# Altium PCB PCB.PcbDoc
Units mm, origin at the board's own origin, x right, y up, seen from the top; angles counter-clockwise.
Board outline 70 x 50 mm, 2 copper layers (Top Layer, Bottom Layer); 28 components, 25 nets, 97 pads, 0 vias.
Unrouted connection lines stored in the file: 55.
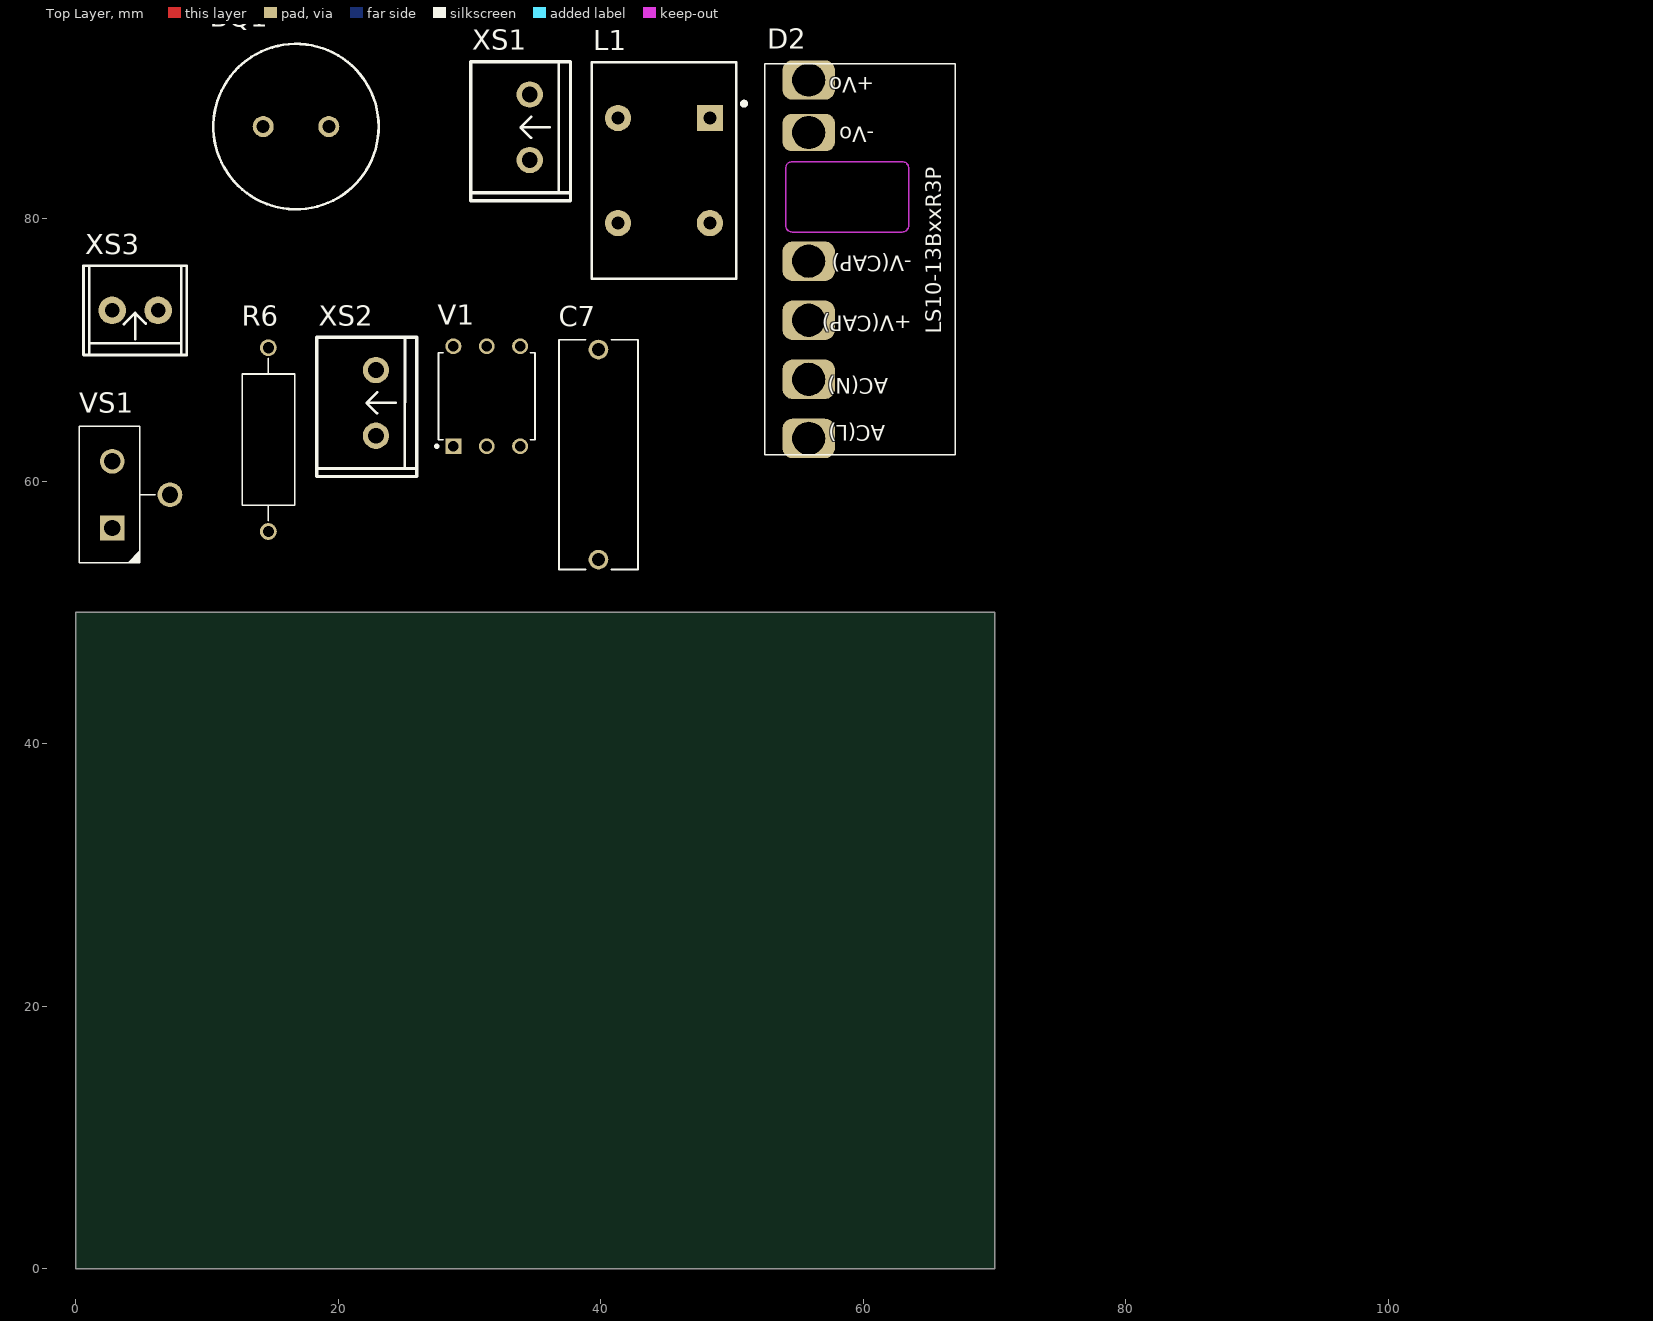
[diagram p0: Top Layer view]
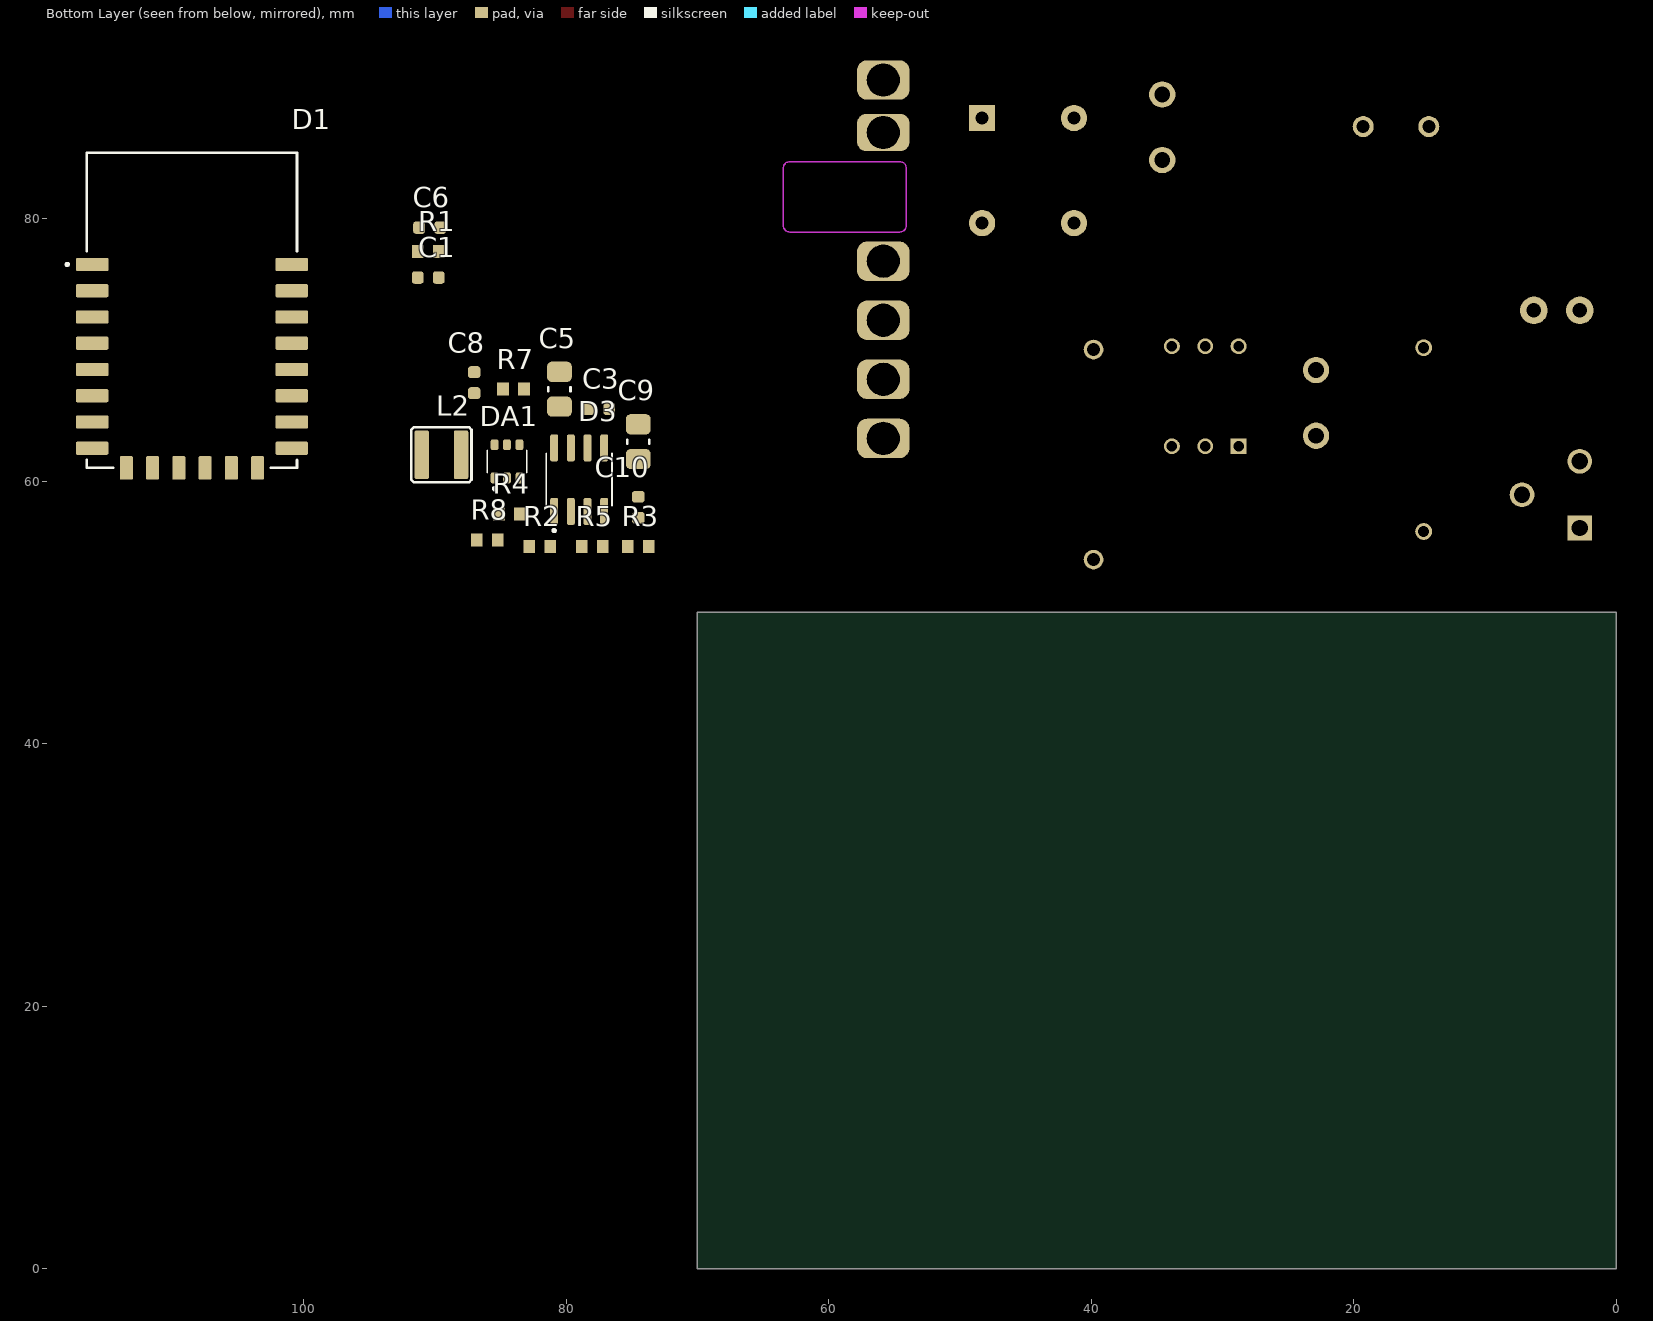
[diagram p1: Bottom Layer view, seen from below]

## Layer stack, top to bottom
Top Solder: solder mask 0.0102, Solder Resist, Dk 3.5
Top Layer: signal copper 0.0356
Dielectric 1: dielectric 0.32, FR-4, Dk 4.8
Bottom Layer: signal copper 0.0356
Bottom Solder: solder mask 0.0102, Solder Resist, Dk 3.5

## Board outline
0,0 0,50 70,50 70,0

## Design rules (kind name [scope] priority, off if disabled: settings)
Clearance [All] p1: gap=0.254 ignorepadtopadclearanceinfootprint=FALSE except(0: Arc-Hole Track-Hole SMDPad-Hole THPad-Hole Via-Hole Fill-Hole Poly-Hole Region-Hole Text-Hole)
PolygonConnect [All] p1: connectstyle=Relief reliefconductorwidth=0.254 reliefentries=4 polygonreliefangle="90 Angle" airgapwidth=0.254
RoutingVias [All] p1: holewidth=0.711 width=1.27 viastyle="Through Hole" minholewidth=0.711 minwidth=1.27 maxholewidth=0.711 maxwidth=1.27
SolderMaskExpansion [All] p1: expansion=0.102 istentingtop=FALSE
Width [All] p1: maxlimit=0.254 minlimit=0.254 preferedwidth=0.254
30 further rules are at their usual default settings.

## Components (designator, comment, footprint, x,y, rotation, side; value= is the part's Value field where it differs from the comment)
BQ1 "PKM13EPY-4000" R_D12p6_H6p9_S5_d0p5 16.777,87 r0 top
C1 "0.1uF" CAPC1608X09N 90.5,75.5 r180 bottom
C3 "0.1uF" CAPC1608X09N 77.504,65.5 r180 bottom
C5 "4.7uF" CAPC3216X19N 80.509,67 r90 bottom
C6 "0.1uF" CAPC1608X09N 90.398,79.304 r180 bottom
C7 "100nF" CAPRR1600W70L1750T600H1200 39.818,62.014 r90 top
C8 "0.1uF" CAPC1608X09N 87,67.5 r270 bottom
C9 "22uF" CAPC3216X19N 74.5,63 r90 bottom
C10 "0.1uF" CAPC1608X09N 74.5,58 r90 bottom
D1 "ESP-12F" ESP-12F 108.5,73 r180 bottom
D2 "LS10-13B15R3P" LS10-13BxxR3P_LUT 60.173,76.664 r90 top
D3 "MAX6675ISA" SOIC8P127_490X600X175L83X42N 79,60.104 r180 bottom
DA1 "WD1502F-6/TR" SOT23-6P95_280X90L45X42N 84.5,61.5 r180 bottom
L1 "UU9LFNP-B-B102" UU9LF 44.806,83.649 r0 top
L2 "1.5uH" INDP400L400WX180_N 89.5,62 r180 bottom
R1 "1K" RESC1608X55N 90.5,77.5 r180 bottom
R2 "220" RESC1608X55N 82,55 r180 bottom
R3 "180k" RESC1608X55N 74.5,55 r180 bottom
R4 "1K" RESC1608X55N 84.3,57.5 r180 bottom
R5 "1K" RESC1608X55N 78,55 r180 bottom
R6 "100" MF-05W_RESAD1400W60L1000D500 14.672,63.157 r90 top
R7 "2.2k" RESC1608X55N 84,67 r180 bottom
R8 "10k" RESC1608X55N 86,55.5 r0 bottom
V1 "MOC3063" DIP-6_DIP762W50P254L735H400Q6 31.309,66.459 r0 top
VS1 "BT136-600Е" TO-220C_TO254_440P1040X460X2000-3 2.777,56.42 r90 top
XS1 "DG301-5.0-02P-14-00A(H)" DG301-5.0-02P 33.884,86.951 r90 top
XS2 "DG301-5.0-02P-14-00A(H)" DG301-5.0-02P 22.165,65.951 r90 top
XS3 "KLS2-350-3.50-02P-4S" KLS2-350-3.50-02P-4S 4.527,73 r0 top

## Footprints (in the part's own frame and the unit in brackets; to place one, negate y for a bottom-side part, rotate by r counter-clockwise, add the part's x,y. Pads: shape width x height; smd on the part's side, far side on the other; paste and mask are expansions set on the pad)
CAPC1608X09N [mm] "Chip Capacitor, 2-Leads, Body 1,60x0,80mm, IPC Medium Density"
  rrect50% 0.9x0.95 smd: 1(-0.8,0) 2(0.8,0)
  body extent -0.85,-0.45 0.85,0.45, height 0.9
CAPC3216X19N [mm] "Chip Capacitor, 2-Leads, Body 3,20x1,60mm, IPC Medium Density"
  rrect50% 1.55x1.9 smd: 1(-1.325,0) 2(1.325,0)
  silkscreen extent -0.15,-0.85 0.15,0.85, body extent -1.75,-0.95 1.75,0.95, height 1.9
CAPRR1600W70L1750T600H1200 [mm] "Capacitor, Radial (Dipped, Rectangular), 16.00 mm Pitch X 0.70 mm W X 17.50 mm L X 6.00 mm T X 12.00 mm H body"
  round 1.5 hole 1 paste-2539.97: 1(-8,0) 2(8,0)
  silkscreen extent -8.75,-3 8.75,3, body extent -8.75,-3 8.75,3, height 12
DG301-5.0-02P [mm]
  round 2 hole 1.2 paste-2539.97 mask+0.05: 1(-2.5,-0.7) 2(2.5,-0.7)
  silkscreen extent -5.6,-3.8 5,3.8, body extent -5.6,-3.8 5,3.8, height 10
DIP-6_DIP762W50P254L735H400Q6 [mm] "DIP, 7.62 mm lead span, 2.54 mm pitch; 6 pin, 7.35 mm L X 6.60 mm W X 4.00 mm H body"
  rect 1.21x1.21 / inner round 1.21 / far side rect 1.21x1.21 hole 0.8 paste-2539.97: 1(-2.54,-3.81)
  round 1.21 hole 0.8 paste-2539.97: 2(0,-3.81) 3(2.54,-3.81) 4(2.54,3.81) 5(0,3.81) 6(-2.54,3.81)
  silkscreen extent -3.91,-3.91 3.67,3.3, body extent -3.67,-3.94 3.67,3.94, height 4
ESP-12F [mm]
  rrect25% 2.5x1 smd: 1(-7.6,3.5) 2(-7.6,1.5) 3(-7.6,-0.5) 4(-7.6,-2.5) 5(-7.6,-4.5) 6(-7.6,-6.5) 7(-7.6,-8.5) 8(-7.6,-10.5) 15(7.6,-10.5) 16(7.6,-8.5) 17(7.6,-6.5) 18(7.6,-4.5) 19(7.6,-2.5) 20(7.6,-0.5) 21(7.6,1.5) 22(7.6,3.5)
  rrect25% 1x1.8 smd: 9(-5,-12) 10(-3,-12) 11(-1,-12) 12(1,-12) 13(3,-12) 14(5,-12)
  silkscreen extent -9.6,-12 8,12, body extent -8.02,-12 7.98,12, height 2.72
INDP400L400WX180_N [mm] "Inductor wirewound 4x4x1.8mm"
  rrect25% 1.1x3.7 smd: 1(-1.5,0) 2(1.5,0)
  silkscreen extent -2.3,-2.1 2.3,2.1, body extent -2.1,-2.1 2.1,2.1, height 1.8
KLS2-350-3.50-02P-4S [mm]
  round 2.1 hole 1.1: 1(-1.75,0) 2(1.75,0)
  silkscreen extent -3.94,-3.4 3.94,3.4, body extent -4,-3.4 4,3.4, height 8.6
LS10-13BxxR3P_LUT [mm]
  rrect50% 3x4 hole 2.5: 1(-13.415,4.338) 2(-8.915,4.338) 3(-4.415,4.338) 4(0.085,4.338) 6(13.885,4.338)
  rrect50% 2.84x4 hole 2.5: 5(9.885,4.338)
  Keep-Out Layer lines w0.1: 2.305,5.588 cw(c2.805,5.588) 2.805,6.088 ; 7.665,-2.772 7.665,5.588 ccw(c7.165,5.588) 7.165,6.088 2.805,6.088 ; 2.305,-2.782 ccw(c2.805,-2.782) 2.805,-3.282 7.165,-3.282 ccw(c7.165,-2.782) 7.665,-2.782 ; 2.805,6.088 2.805,6.088
  Keep-Out Layer lines w0.102: 2.305,5.588 2.305,-2.772
  silkscreen extent -14.66,-6.81 15.14,7.69, body extent -14.15,-6.47 14.7,7.13, height 17.12
MF-05W_RESAD1400W60L1000D500 [mm] "Resistor, Axial; 14.00 mm Pitch X 0.60 mm W 10.00 mm L X 5.00 mm Dia. body"
  round 1.28 hole 0.85 paste-2539.97: 1(-7,0) 2(7,0)
  silkscreen extent -6.18,-2 6.18,2, body extent -7.3,-2 7.3,2, height 5
R_D12p6_H6p9_S5_d0p5 [mm] "Пьезоизлучатель PKM13EPY"
  round 1.6 hole 1: 1(-2.5,0) 2(2.5,0)
  silkscreen extent -6.3,-6.3 6.3,6.3, body extent -6.3,-6.3 6.3,6.3, height 6.9
RESC1608X55N [mm] "Chip Resistor, EIA 0603, Metric 1608, Body 1.6x0.8mm, IPC Medium Density"
  rect 0.9x1 smd: 1(-0.8,0) 2(0.8,0)
  body extent -0.87,-0.47 0.88,0.48, height 0.55
SOIC8P127_490X600X175L83X42N [mm] "Small Outline IC (SOIC), 1.27 mm pitch; 8 pin, 4.90 mm L X 3.90 mm W X 1.75 mm H body"
  rrect50% 0.61x2.058 smd mask+0.05: 1(-1.905,-2.421) 2(-0.635,-2.421) 3(0.635,-2.421) 4(1.905,-2.421) 5(1.905,2.421) 6(0.635,2.421) 7(-0.635,2.421) 8(-1.905,2.421)
  silkscreen extent -2.5,-3.97 2.5,2, body extent -2.45,-3 2.45,3, height 1.75
SOT23-6P95_280X90L45X42N [mm] "Small Outline Transistor, SOT-23 Type, 0.95 mm pitch; 6 pin, 2.92 mm L X 1.65 mm W X 0.90 mm H body"
  rrect50% 0.58x0.825 smd mask+0.05: 1(-0.95,-1.262) 2(0,-1.262) 3(0.95,-1.262) 4(0.95,1.262) 5(0,1.262) 6(-0.95,1.262)
  silkscreen extent -1.51,-2.18 1.51,0.85, body extent -1.46,-1.4 1.46,1.4, height 0.9
TO-220C_TO254_440P1040X460X2000-3 [mm] "Flange Mount (TO) Vertical, 2.54 mm pitch; 3 pin, 10.40 mm W X 4.60 mm H X 20.00 mm mounted height"
  rect 1.88x1.88 / inner round 1.88 / far side rect 1.88x1.88 hole 1.25 paste-2539.97: 1(0,0)
  round 1.88 hole 1.25 paste-2539.97: 2(2.54,-4.4) 3(5.08,0)
  silkscreen extent -2.67,-3.28 7.74,2.5, body extent -2.66,-4.77 7.74,2.5, height 20
UU9LF [mm]
  rect 2x2 hole 1: 1(3.5,4)
  round 2 hole 1: 2(-3.5,4) 3(-3.5,-4) 4(3.5,-4)
  silkscreen extent -5.5,-8.25 6.25,8.25, body extent -5.5,-8.14 5.5,8.14, height 16.31

## Part data
BQ1: Manufacturer=Murata, Package=TH, ComponentLink1Description=Datasheet, ComponentLink1URL=https://pdf1.alldatasheet.com/datasheet-pdf/view/116967/MURATA/PKM13EPY-4000-A0.html, Part Number=PKM13EPY-4000, Part Status=Active
C1 C3 C6 C8 C10: library part 0603-0.1uF-50V-10%-X7R, Dielectric=X7R, Max Temperature=125, Min Temperature=-55, Package=0603, Tolerance=10%, Voltage=50V, Capacitance=0.1uF, Parameter=50V, Part Number=0603-0.1uF-50V-10%-X7R, Part Status=Active
C5: library part 1206-4.7uF-25V-10%-X7R, Dielectric=X7R, Max Temperature=125, Min Temperature=-55, Package=1206, Tolerance=10%, Voltage=25V, Capacitance=4.7uF, Parameter=25V, Part Number=1206-4.7uF-25V-10%-X7R, Part Status=Active
C7: library part MEF104J2J6AS6040A1, Dielectric=Polyester, Manufacturer=JOEY, Max Temperature=105, Min Temperature=-55, Package=TH, Tolerance=5%, Voltage=630V, Capacitance=100nF, ComponentLink1Description=Datasheet, ComponentLink1URL=https://datasheet.lcsc.com/lcsc/2311211613_JOEY-MEF104J2J6AS6040A1_C18295882.pdf, Parameter=630V, Part Number=MEF104J2J6AS6040A1, Part Status=Active
C9: library part 1206-22uF-10V-10%-X7R, Dielectric=X7R, Max Temperature=125, Min Temperature=-55, Package=1206, Tolerance=10%, Voltage=10V, Capacitance=22uF, Parameter=10V, Part Number=1206-22uF-10V-10%-X7R, Part Status=Active
D1: Manufacturer=Ai-Thinker, Package=QFN-44, ComponentLink1Description=Datasheet, ComponentLink1URL=https://datasheet.lcsc.com/lcsc/2102191804_Ai-Thinker-ESP-12F-ESP8266MOD_C82891.pdf, Part Number=ESP-12F, Part Status=Active
D2: Manufacturer="MORNSUN Guangzhou S& T", ComponentLink1Description=Datasheet, ComponentLink1URL=https://datasheet.lcsc.com/lcsc/2304140030_MORNSUN-Guangzhou-S--T-LS10-13B15R3P_C2684858.pdf, Part Number=LS10-13B15R3P
D3: Manufacturer="Analog Devices Inc./Maxim Integrated", Package=SOIC-8, ComponentLink1Description=Datasheet, ComponentLink1URL=https://datasheet.lcsc.com/lcsc/1810181421_Analog-Devices-Inc--Maxim-Integrated-MAX6675ISA-T_C16030.pdf, Part Number=MAX6675ISA, Part Status=Active
DA1: Manufacturer="WILLSEMI(Will Semicon)", Package=SOT23-6, ComponentLink1Description=Datasheet, ComponentLink1URL=https://datasheet.lcsc.com/lcsc/2201121500_WILLSEMI-Will-Semicon-WD1502F-6-TR_C2931307.pdf, Part Number=WD1502F-6/TR, Part Status=Active
L1: Manufacturer=Sumida, ComponentLink1Description=Datasheet, ComponentLink1URL=https://www.promelec.ru/fs/sources/7d/fb/00/93/a0ed9916e485af1b33b50f4f.pdf, Part Number=UU9LFNP-B-B102, Part Status=Active
L2: library part SWPA4018S1R5NT, Manufacturer=Sunlord, Package=4018, Rated Current=1.8A, Resistance=0.039, Saturation Current=3.35A, Self Resonant Frequency=65MHz, Tolerance=30%, ComponentLink1Description=Datasheet, ComponentLink1URL=https://datasheet.lcsc.com/lcsc/2110091630_Sunlord-SWPA4018S1R5NT_C80662.pdf, Inductance=1.5uH, Parameter=1.8A, Part Number=SWPA4018S1R5NT, Part Status=Active
R1 R4 R5: library part "0603-1K-1%-1/10 W-100ppm", "Resistor", Max Temperature=155°C, Min Temperature=-55°C, Package=0603, Power="1/10 W", Temperature Coefficient=100ppm, Tolerance=1%, Part Number="0603-1K-1%-1/10 W-100ppm", Part Status=Active, Resistance=1K
  R1: Parameter=1%
R2: library part "0603-220-1%-1/10 W-100ppm", "Resistor", Max Temperature=155°C, Min Temperature=-55°C, Package=0603, Power="1/10 W", Temperature Coefficient=100ppm, Tolerance=1%, Parameter=1%, Part Number="0603-220-1%-1/10 W-100ppm", Part Status=Active, Resistance=220
R3: library part 0603-180K-1%-1/10W-100ppm, "Resistor", Max Temperature=155°C, Min Temperature=-55°C, Package=0603, Power="1/10 W", Temperature Coefficient=100ppm, Tolerance=1%, Parameter=1%, Part Number=0603-180K-1%-1/10W-100ppm, Part Status=Active, Resistance=180k
R6: library part MF0W2JJ0101A10, "Resistor", Manufacturer="UNI-ROYAL(Uniroyal Elec)", Max Temperature=105, Min Temperature=-55, Package=TH, Power=500mW, Temperature Coefficient=200ppm, Tolerance=5%, ComponentLink1Description=Datasheet, ComponentLink1URL=https://datasheet.lcsc.com/lcsc/2310191505_UNI-ROYAL-Uniroyal-Elec-MF0W2JJ0101A10_C18724264.pdf, Parameter=5%, Part Number=MF0W2JJ0101A10, Part Status=Active, Resistance=100
R7: library part 0603-2.2K-1%-1/10W-100ppm, "Resistor", Max Temperature=155°C, Min Temperature=-55°C, Package=0603, Power="1/10 W", Tolerance=1%, Parameter=1%, Part Number=0603-2.2K-1%-1/10W-100ppm, Part Status=Active, Resistance=2.2k, Temperature Coefficient="1/10 W"
R8: library part "0603-10k-1%-1/10 W-100ppm", "Resistor", Max Temperature=155°C, Min Temperature=-55°C, Package=0603, Power="1/10 W", Temperature Coefficient=100ppm, Tolerance=1%, Parameter=1%, Part Number="0603-10k-1%-1/10 W-100ppm", Part Status=Active, Resistance=10k
V1: "Оптрон тиристорный", Manufacturer=Lite-On, Package=DIP-6, ComponentLink1Description=Datasheet, ComponentLink1URL=https://datasheet.lcsc.com/lcsc/2304140030_Lite-On-MOC3063_C78487.pdf, Part Number=MOC3063, Part Status=Active
VS1: Manufacturer=WEIDA, Package=TO-220C, ComponentLink1Description=Datasheet, ComponentLink1URL=https://datasheet.lcsc.com/lcsc/2203021730_WEIDA-BT136-600E_C2901007.pdf, Part Number=BT136-600Е, Part Status=Active
XS1 XS2: Manufacturer=DEGSON, ComponentLink1Description=Datasheet, ComponentLink1URL=https://datasheet.lcsc.com/lcsc/2208121800_DEGSON-DG301-5-0-02P-14-00A-H_C5128812.pdf, Part Number=DG301-5.0-02P-14-00A(H), Part Status=Active
XS3: Manufacturer=KLS, ComponentLink1Description=Datasheet, ComponentLink1URL=https://img.klsele.com/admin/product_upload/20170915092321350%20he.pdf, Part Number=KLS2-350-3.50-02P-4S, Part Status=Active

## Nets (pads, with @x,y where several pads share a name; then routed paths per layer and width w, separated by ;. In a path a pad name is that pad's centre, name@x,y a point inside that pad or via, vN(x,y) a via of type N, cw(c..) or ccw(c..) an arc to the next point about the centre after c; other vN are vias at no path point)
15V: C5.1 D2.6 DA1.3 R3.2
+3V3: BQ1.1 C1.1 C6.1 C9.1 C10.1 D1.3 D1.8 D3.4 L2.2 R1.2 R8.2
BUZZER: BQ1.2 D1.6 R1.1
DC_BOOT: C8.1 DA1.6
DC_EN: DA1.5 R3.1
DC_FB: DA1.4 R7.2 R8.1
DC_SW: C8.2 DA1.2 L2.1
GND: C1.2 C3.2 C5.2 C6.2 C9.2 C10.2 D1.15 D2.5 D3.1 DA1.1 R7.1 V1.2
Line: C7.1 L1.1 R4.1 VS1.2 XS1.1
NetC2_1: C3.1 D2.4
NetC2_2: D2.3
NetC7_2: C7.2 R6.2
NetD2_1: D2.1 L1.2
NetD2_2: D2.2 L1.3
NetR2_2: R2.2 V1.1
NetR4_2: R4.2 V1.6
NetR5_1: R5.1 R6.1 VS1.1 XS2.2
NetR5_2: R5.2 V1.4 VS1.3
Neutral: L1.4 XS1.2 XS2.1
SCR: D1.18 R2.1
SPI_CLK: D1.17 D3.5
SPI_CS: D1.20 D3.6
SPI_MISO: D1.19 D3.7
TC+: D3.3 XS3.1
TC-: D3.2 XS3.2
pads on no net: D1.1 D1.2 D1.4 D1.5 D1.7 D1.9 D1.10 D1.11 D1.12 D1.13 D1.14 D1.16 D1.21 D1.22 D3.8 V1.3 V1.5

## Silkscreen, mask and mechanical layers (free items; w line width, h text height)
Board Shape:
  the board outline again, w0.254

## Text inside footprints (layer, text, board x,y; h text height)
D2: Top Overlay "+Vo" at 60.84,91.143 h2 r180; Top Overlay "-Vo" at 60.84,87.382 h2 r180; Top Overlay "-V(CAP)" at 63.692,77.541 h2 r180; Top Overlay "+V(CAP)" at 63.692,72.961 h2 r180; Top Overlay "AC(L)" at 61.656,64.648 h2 r180; Top Overlay "AC(N)" at 61.882,68.195 h2 r180; Top Overlay "LS10-13BxxR3P" at 66.331,71.235 h2 r90